# KiCad board GPDI_ULX3S_panel.kicad_pcb (continued)
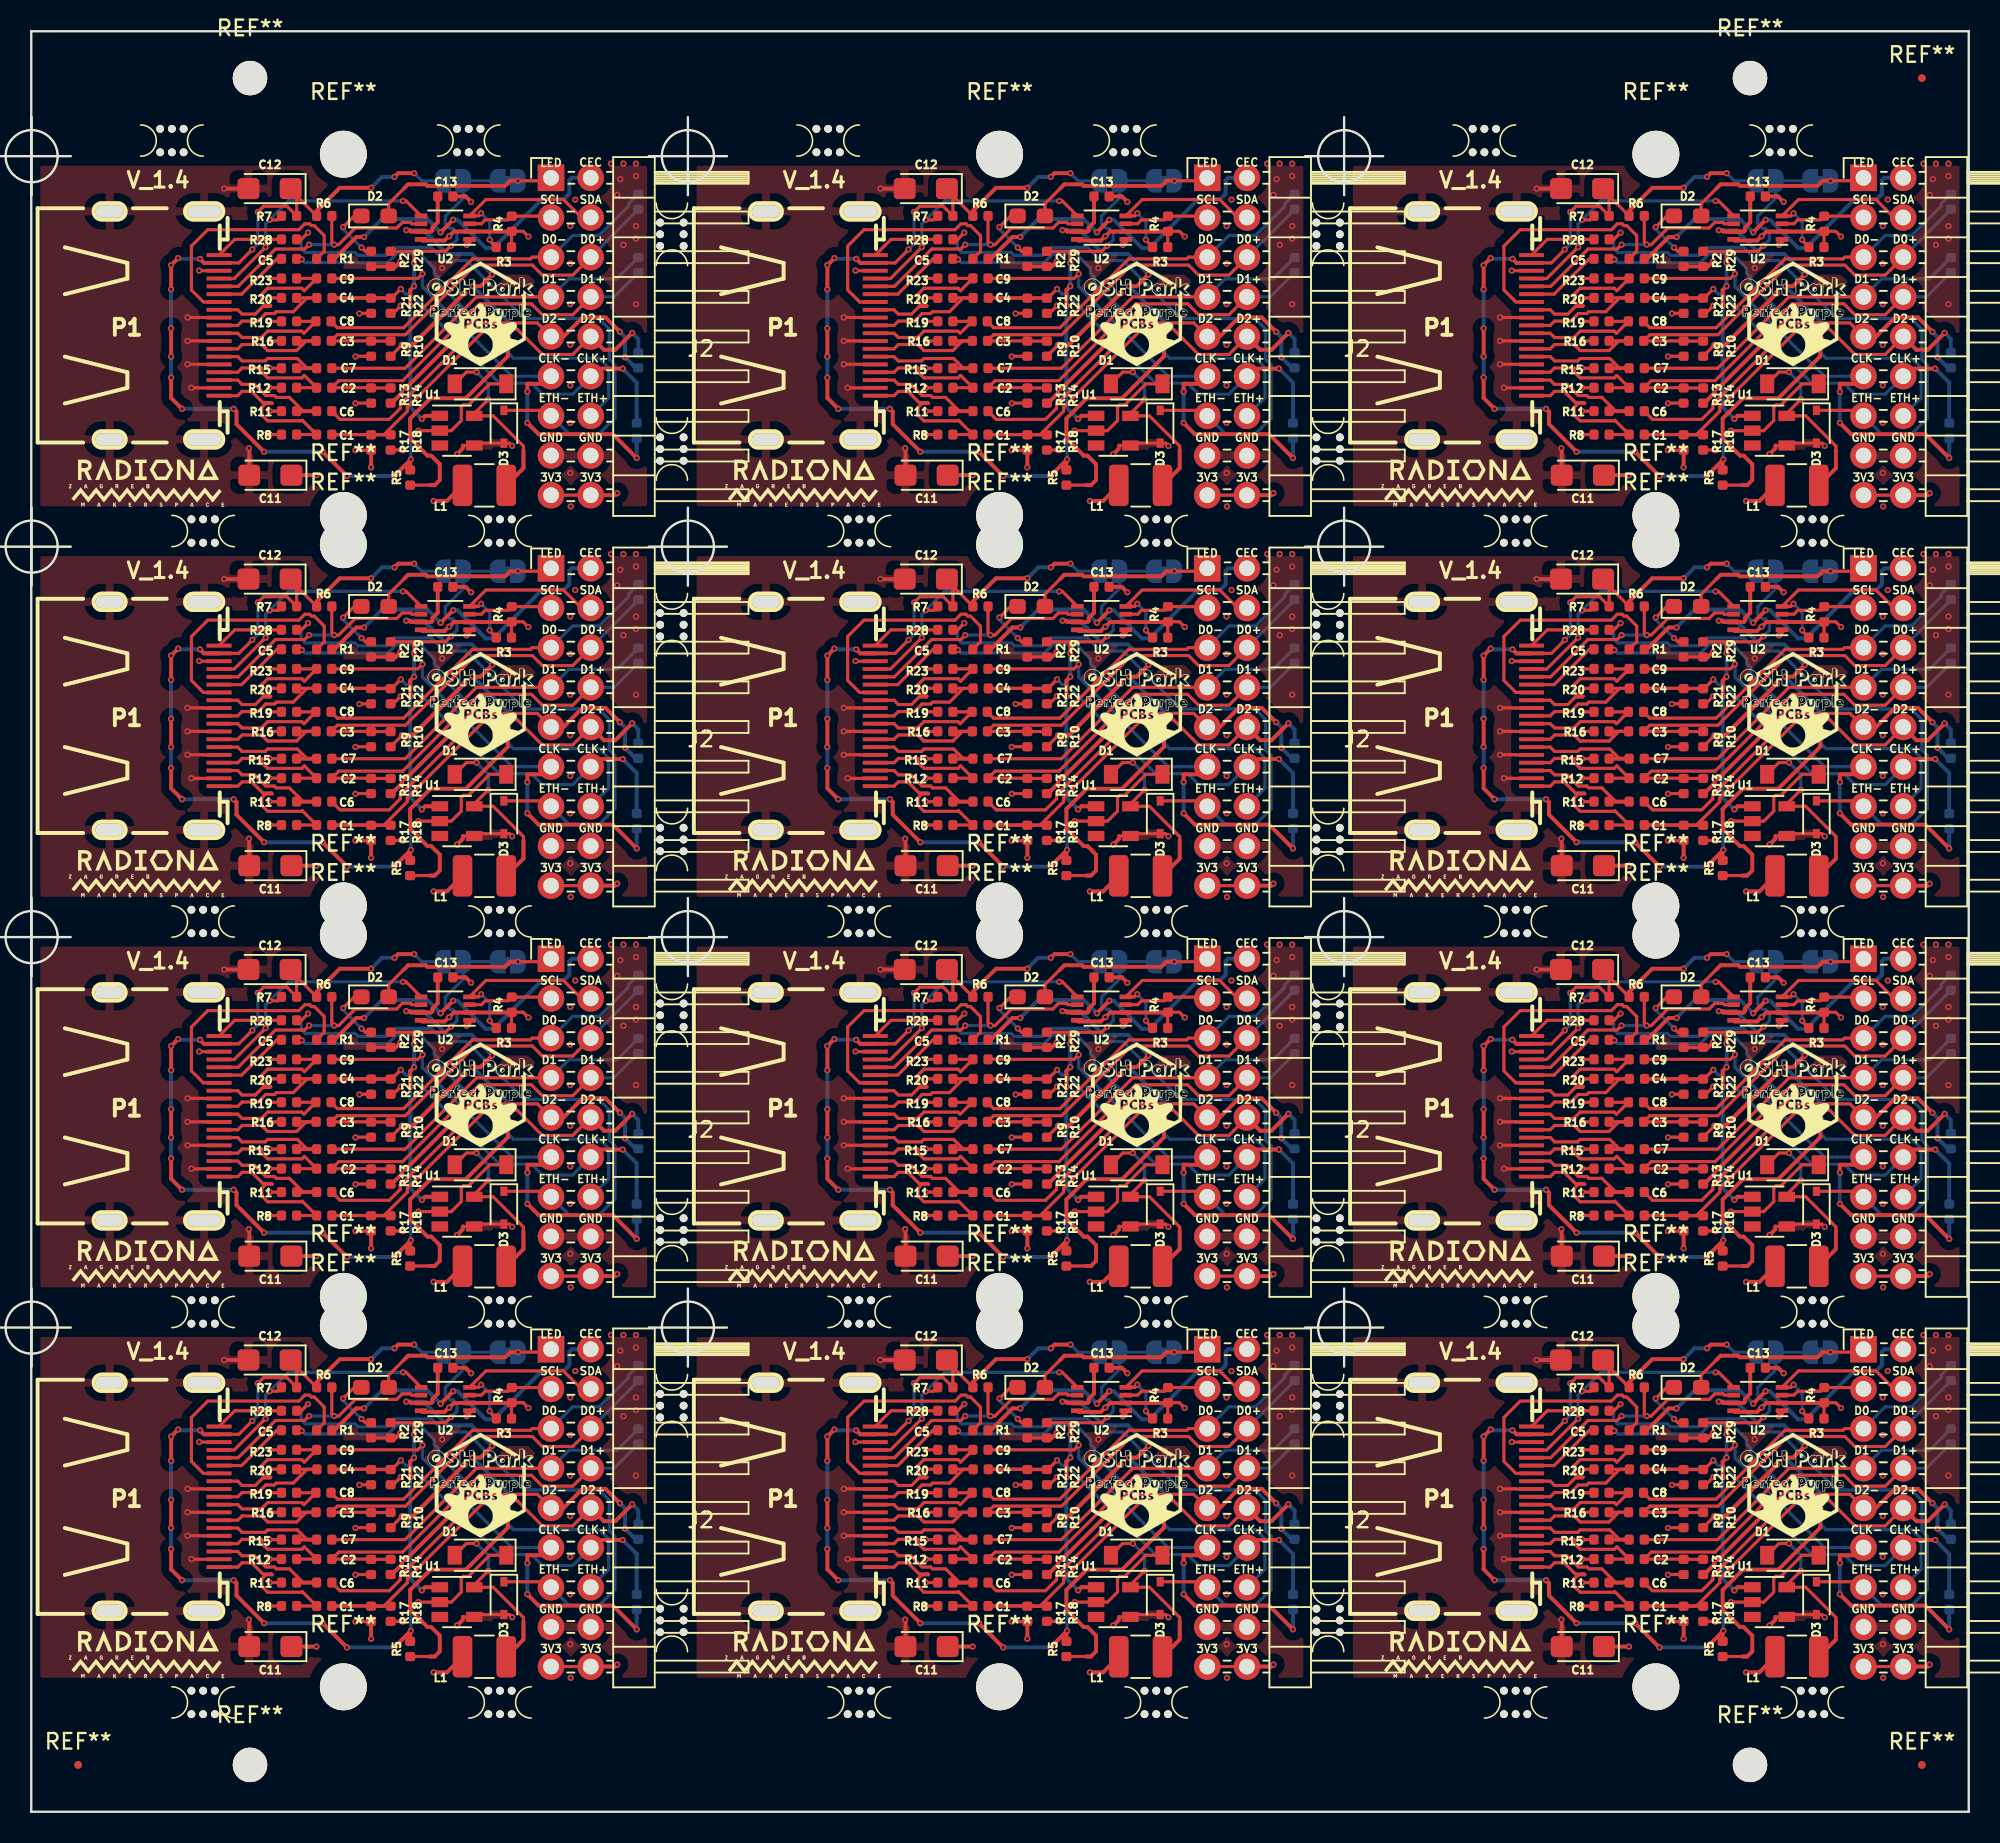
[diagram p0: board, top side]
## Routing (per net, layer and track width the routed paths; a pad name or vN(x,y) marks a point on that pad's centre or on a via; arc(x,y) is an arc through that point) (continued)
/CEC: length 191.9
  Top w0.2: P1#2.13 53.02,96.67 52.25,97.43 52.25,100.25 53.3,101.3 59.13,101.3 59.51,101.68 59.81,101.68 59.93,101.55 60.11,101.55 60.75,100.92 60.75,99.91 60.27,99.43 ; P1#3.13 95.02,96.67 94.25,97.43 94.25,100.25 95.3,101.3 101.13,101.3 101.51,101.68 101.81,101.68 101.93,101.55 102.11,101.55 102.75,100.92 102.75,99.91 102.27,99.43 ; P1#4.13 11.02,71.67 10.25,72.43 10.25,75.25 11.3,76.3 17.13,76.3 17.51,76.68 17.81,76.68 17.93,76.55 18.11,76.55 18.75,75.92 18.75,74.91 18.27,74.43 ; P1#5.13 53.02,71.67 52.25,72.43 52.25,75.25 53.3,76.3 59.13,76.3 59.51,76.68 59.81,76.68 59.93,76.55 60.11,76.55 60.75,75.92 60.75,74.91 60.27,74.43 ; P1#6.13 95.02,71.67 94.25,72.43 94.25,75.25 95.3,76.3 101.13,76.3 101.51,76.68 101.81,76.68 101.93,76.55 102.11,76.55 102.75,75.92 102.75,74.91 102.27,74.43 ; P1#7.13 11.02,46.67 10.25,47.43 10.25,50.25 11.3,51.3 17.13,51.3 17.51,51.68 17.81,51.68 17.93,51.55 18.11,51.55 18.75,50.92 18.75,49.91 18.27,49.42 ; P1#8.13 53.02,46.67 52.25,47.43 52.25,50.25 53.3,51.3 59.13,51.3 59.51,51.68 59.81,51.68 59.93,51.55 60.11,51.55 60.75,50.92 60.75,49.91 60.27,49.42 ; P1#9.13 95.02,46.67 94.25,47.43 94.25,50.25 95.3,51.3 101.13,51.3 101.51,51.68 101.81,51.68 101.93,51.55 102.11,51.55 102.75,50.92 102.75,49.91 102.27,49.42 ; 12.02,21.67 11.02,21.67 10.25,22.43 10.25,25.25 11.3,26.3 17.13,26.3 17.51,26.68 17.81,26.68 17.93,26.55 18.11,26.55 18.75,25.92 18.75,24.91 18.27,24.43 ; 54.02,21.67 53.02,21.67 52.25,22.43 52.25,25.25 53.3,26.3 59.13,26.3 59.51,26.68 59.81,26.68 59.93,26.55 60.11,26.55 60.75,25.92 60.75,24.91 60.27,24.43 ; 96.02,21.67 95.02,21.67 94.25,22.43 94.25,25.25 95.3,26.3 101.13,26.3 101.51,26.68 101.81,26.68 101.93,26.55 102.11,26.55 102.75,25.92 102.75,24.91 102.27,24.43 ; P1.13 11.02,96.67 10.25,97.43 10.25,100.25 11.3,101.3 17.13,101.3 17.51,101.68 17.81,101.68 17.93,101.55 18.11,101.55 18.75,100.92 18.75,99.91 18.27,99.43
/CLK+: length 99.4
  Top w0.2: R20#2.2 C4#2.2 59.65,96.93 58.77,96.05 57.68,96.05 57.56,95.93 57.01,95.93 56.53,95.44 55.49,95.44 55.22,95.17 P1#2.10 ; R20#3.2 C4#3.2 101.65,96.93 100.77,96.05 99.68,96.05 99.56,95.93 99.01,95.93 98.53,95.44 97.49,95.44 97.22,95.17 P1#3.10 ; R20#4.2 C4#4.2 17.65,71.93 16.77,71.05 15.68,71.05 15.56,70.93 15.01,70.93 14.53,70.44 13.49,70.44 13.22,70.17 P1#4.10 ; R20#5.2 C4#5.2 59.65,71.93 58.77,71.05 57.68,71.05 57.56,70.93 57.01,70.93 56.53,70.44 55.49,70.44 55.22,70.17 P1#5.10 ; R20#6.2 C4#6.2 101.65,71.93 100.77,71.05 99.68,71.05 99.56,70.93 99.01,70.93 98.53,70.44 97.49,70.44 97.22,70.17 P1#6.10 ; R20#7.2 C4#7.2 17.65,46.92 16.77,46.05 15.68,46.05 15.56,45.93 15.01,45.93 14.53,45.44 13.49,45.44 13.22,45.17 P1#7.10 ; R20#8.2 C4#8.2 59.65,46.92 58.77,46.05 57.68,46.05 57.56,45.93 57.01,45.93 56.53,45.44 55.49,45.44 55.22,45.17 P1#8.10 ; R20#9.2 C4#9.2 101.65,46.92 100.77,46.05 99.68,46.05 99.56,45.93 99.01,45.93 98.53,45.44 97.49,45.44 97.22,45.17 P1#9.10 ; R20#10.2 C4#10.2 17.65,21.93 16.77,21.05 15.68,21.05 15.56,20.93 15.01,20.93 14.53,20.44 13.49,20.44 13.22,20.17 12.02,20.17 ; R20#11.2 C4#11.2 59.65,21.93 58.77,21.05 57.68,21.05 57.56,20.93 57.01,20.93 56.53,20.44 55.49,20.44 55.22,20.17 54.02,20.17 ; R20#12.2 C4#12.2 101.65,21.93 100.77,21.05 99.68,21.05 99.56,20.93 99.01,20.93 98.53,20.44 97.49,20.44 97.22,20.17 96.02,20.17 ; R20.2 C4.2 17.65,96.93 16.77,96.05 15.68,96.05 15.56,95.93 15.01,95.93 14.53,95.44 13.49,95.44 13.22,95.17 P1.10
/CLK-: length 121.8
  Top w0.2: P1#2.12 55.22,96.17 55.49,95.89 56.34,95.89 56.82,96.37 57.28,96.37 57.33,96.42 57.01,96.42 56.75,96.68 56.75,97.17 57.13,97.55 59.32,97.55 59.48,97.39 60.27,98.18 R23#2.2 ; P1#3.12 97.22,96.17 97.49,95.89 98.34,95.89 98.82,96.37 99.28,96.37 99.33,96.42 99.01,96.42 98.75,96.68 98.75,97.17 99.13,97.55 101.32,97.55 101.48,97.39 102.27,98.18 R23#3.2 ; P1#4.12 13.22,71.17 13.49,70.89 14.34,70.89 14.82,71.37 15.28,71.37 15.33,71.42 15.01,71.42 14.75,71.68 14.75,72.17 15.13,72.55 17.32,72.55 17.48,72.39 18.27,73.18 R23#4.2 ; P1#5.12 55.22,71.17 55.49,70.89 56.34,70.89 56.82,71.37 57.28,71.37 57.33,71.42 57.01,71.42 56.75,71.68 56.75,72.17 57.13,72.55 59.32,72.55 59.48,72.39 60.27,73.18 R23#5.2 ; P1#6.12 97.22,71.17 97.49,70.89 98.34,70.89 98.82,71.37 99.28,71.37 99.33,71.42 99.01,71.42 98.75,71.68 98.75,72.17 99.13,72.55 101.32,72.55 101.48,72.39 102.27,73.18 R23#6.2 ; P1#7.12 13.22,46.17 13.49,45.89 14.34,45.89 14.82,46.37 15.28,46.37 15.33,46.42 15.01,46.42 14.75,46.68 14.75,47.17 15.13,47.55 17.32,47.55 17.48,47.39 18.27,48.17 R23#7.2 ; P1#8.12 55.22,46.17 55.49,45.89 56.34,45.89 56.82,46.37 57.28,46.37 57.33,46.42 57.01,46.42 56.75,46.68 56.75,47.17 57.13,47.55 59.32,47.55 59.48,47.39 60.27,48.17 R23#8.2 ; P1#9.12 97.22,46.17 97.49,45.89 98.34,45.89 98.82,46.37 99.28,46.37 99.33,46.42 99.01,46.42 98.75,46.68 98.75,47.17 99.13,47.55 101.32,47.55 101.48,47.39 102.27,48.17 R23#9.2 ; 12.02,21.17 13.22,21.17 13.49,20.89 14.34,20.89 14.82,21.37 15.28,21.37 15.33,21.42 15.01,21.42 14.75,21.68 14.75,22.17 15.13,22.55 17.32,22.55 17.48,22.39 18.27,23.18 R23#10.2 ; 54.02,21.17 55.22,21.17 55.49,20.89 56.34,20.89 56.82,21.37 57.28,21.37 57.33,21.42 57.01,21.42 56.75,21.68 56.75,22.17 57.13,22.55 59.32,22.55 59.48,22.39 60.27,23.18 R23#11.2 ; 96.02,21.17 97.22,21.17 97.49,20.89 98.34,20.89 98.82,21.37 99.28,21.37 99.33,21.42 99.01,21.42 98.75,21.68 98.75,22.17 99.13,22.55 101.32,22.55 101.48,22.39 102.27,23.18 R23#12.2 ; R23.2 18.27,98.18 17.48,97.39 17.32,97.55 15.13,97.55 14.75,97.17 14.75,96.68 15.01,96.42 15.33,96.42 15.28,96.37 14.82,96.37 14.34,95.89 13.49,95.89 13.22,96.17 P1.12
/D0+: length 95.9
  Top w0.2: P1#2.7 55.22,93.67 55.49,93.94 56.74,93.94 57.13,93.55 58.98,93.55 59.6,94.18 C3#2.2 R16#2.2 ; P1#3.7 97.22,93.67 97.49,93.94 98.74,93.94 99.13,93.55 100.98,93.55 101.6,94.18 C3#3.2 R16#3.2 ; P1#4.7 13.22,68.67 13.49,68.94 14.74,68.94 15.13,68.55 16.98,68.55 17.6,69.18 C3#4.2 R16#4.2 ; P1#5.7 55.22,68.67 55.49,68.94 56.74,68.94 57.13,68.55 58.98,68.55 59.6,69.18 C3#5.2 R16#5.2 ; P1#6.7 97.22,68.67 97.49,68.94 98.74,68.94 99.13,68.55 100.98,68.55 101.6,69.18 C3#6.2 R16#6.2 ; P1#7.7 13.22,43.67 13.49,43.94 14.74,43.94 15.13,43.55 16.98,43.55 17.6,44.17 C3#7.2 R16#7.2 ; P1#8.7 55.22,43.67 55.49,43.94 56.74,43.94 57.13,43.55 58.98,43.55 59.6,44.17 C3#8.2 R16#8.2 ; P1#9.7 97.22,43.67 97.49,43.94 98.74,43.94 99.13,43.55 100.98,43.55 101.6,44.17 C3#9.2 R16#9.2 ; 12.02,18.67 13.22,18.67 13.49,18.94 14.74,18.94 15.13,18.55 16.98,18.55 17.6,19.18 C3#10.2 R16#10.2 ; 54.02,18.67 55.22,18.67 55.49,18.94 56.74,18.94 57.13,18.55 58.98,18.55 59.6,19.18 C3#11.2 R16#11.2 ; 96.02,18.67 97.22,18.67 97.49,18.94 98.74,18.94 99.13,18.55 100.98,18.55 101.6,19.18 C3#12.2 R16#12.2 ; R16.2 C3.2 17.6,94.18 16.98,93.55 15.13,93.55 14.74,93.94 13.49,93.94 13.22,93.67 P1.7
/D0-: length 97
  Top w0.2: R19#2.2 C8#2.2 59.45,94.66 59.32,94.8 57.13,94.8 56.73,94.39 55.49,94.39 55.22,94.67 P1#2.9 ; R19#3.2 C8#3.2 101.45,94.66 101.32,94.8 99.13,94.8 98.73,94.39 97.49,94.39 97.22,94.67 P1#3.9 ; R19#4.2 C8#4.2 17.45,69.66 17.32,69.8 15.13,69.8 14.73,69.39 13.49,69.39 13.22,69.67 P1#4.9 ; R19#5.2 C8#5.2 59.45,69.66 59.32,69.8 57.13,69.8 56.73,69.39 55.49,69.39 55.22,69.67 P1#5.9 ; R19#6.2 C8#6.2 101.45,69.66 101.32,69.8 99.13,69.8 98.73,69.39 97.49,69.39 97.22,69.67 P1#6.9 ; R19#7.2 C8#7.2 17.45,44.66 17.32,44.8 15.13,44.8 14.73,44.39 13.49,44.39 13.22,44.67 P1#7.9 ; R19#8.2 C8#8.2 59.45,44.66 59.32,44.8 57.13,44.8 56.73,44.39 55.49,44.39 55.22,44.67 P1#8.9 ; R19#9.2 C8#9.2 101.45,44.66 101.32,44.8 99.13,44.8 98.73,44.39 97.49,44.39 97.22,44.67 P1#9.9 ; R19#10.2 C8#10.2 17.45,19.66 17.32,19.8 15.13,19.8 14.73,19.39 13.49,19.39 13.22,19.67 12.02,19.67 ; R19#11.2 C8#11.2 59.45,19.66 59.32,19.8 57.13,19.8 56.73,19.39 55.49,19.39 55.22,19.67 54.02,19.67 ; R19#12.2 C8#12.2 101.45,19.66 101.32,19.8 99.13,19.8 98.73,19.39 97.49,19.39 97.22,19.67 96.02,19.67 ; R19.2 C8.2 17.45,94.66 17.32,94.8 15.13,94.8 14.73,94.39 13.49,94.39 13.22,94.67 P1.9
/D1+: length 101.4
  Top w0.2: R12#2.2 60.27,91.18 59.48,91.96 59.32,91.8 57.13,91.8 56.75,92.18 56.75,92.44 55.49,92.44 55.22,92.17 P1#2.4 ; R12#3.2 102.27,91.18 101.48,91.96 101.32,91.8 99.13,91.8 98.75,92.18 98.75,92.44 97.49,92.44 97.22,92.17 P1#3.4 ; R12#4.2 18.27,66.18 17.48,66.96 17.32,66.8 15.13,66.8 14.75,67.18 14.75,67.44 13.49,67.44 13.22,67.17 P1#4.4 ; R12#5.2 60.27,66.18 59.48,66.96 59.32,66.8 57.13,66.8 56.75,67.18 56.75,67.44 55.49,67.44 55.22,67.17 P1#5.4 ; R12#6.2 102.27,66.18 101.48,66.96 101.32,66.8 99.13,66.8 98.75,67.18 98.75,67.44 97.49,67.44 97.22,67.17 P1#6.4 ; R12#7.2 18.27,41.17 17.48,41.96 17.32,41.8 15.13,41.8 14.75,42.18 14.75,42.44 13.49,42.44 13.22,42.17 P1#7.4 ; R12#8.2 60.27,41.17 59.48,41.96 59.32,41.8 57.13,41.8 56.75,42.18 56.75,42.44 55.49,42.44 55.22,42.17 P1#8.4 ; R12#9.2 102.27,41.17 101.48,41.96 101.32,41.8 99.13,41.8 98.75,42.18 98.75,42.44 97.49,42.44 97.22,42.17 P1#9.4 ; R12#10.2 18.27,16.18 17.48,16.96 17.32,16.8 15.13,16.8 14.75,17.18 14.75,17.44 13.49,17.44 13.22,17.17 12.02,17.17 ; R12#11.2 60.27,16.18 59.48,16.96 59.32,16.8 57.13,16.8 56.75,17.18 56.75,17.44 55.49,17.44 55.22,17.17 54.02,17.17 ; R12#12.2 102.27,16.18 101.48,16.96 101.32,16.8 99.13,16.8 98.75,17.18 98.75,17.44 97.49,17.44 97.22,17.17 96.02,17.17 ; P1.4 13.22,92.17 13.49,92.44 14.75,92.44 14.75,92.18 15.13,91.8 17.32,91.8 17.48,91.96 18.27,91.18 R12.2
/D1-: length 95.6
  Top w0.2: P1#2.6 55.22,93.17 55.49,92.89 56.98,92.89 57.13,93.05 59.03,93.05 59.65,92.43 60.27,92.43 ; P1#3.6 97.22,93.17 97.49,92.89 98.98,92.89 99.13,93.05 101.03,93.05 101.65,92.43 102.27,92.43 ; P1#4.6 13.22,68.17 13.49,67.89 14.98,67.89 15.13,68.05 17.03,68.05 17.65,67.43 18.27,67.43 ; P1#5.6 55.22,68.17 55.49,67.89 56.98,67.89 57.13,68.05 59.03,68.05 59.65,67.43 60.27,67.43 ; P1#6.6 97.22,68.17 97.49,67.89 98.98,67.89 99.13,68.05 101.03,68.05 101.65,67.43 102.27,67.43 ; P1#7.6 13.22,43.17 13.49,42.89 14.98,42.89 15.13,43.05 17.03,43.05 17.65,42.42 18.27,42.42 ; P1#8.6 55.22,43.17 55.49,42.89 56.98,42.89 57.13,43.05 59.03,43.05 59.65,42.42 60.27,42.42 ; P1#9.6 97.22,43.17 97.49,42.89 98.98,42.89 99.13,43.05 101.03,43.05 101.65,42.42 102.27,42.42 ; 12.02,18.17 13.22,18.17 13.49,17.89 14.98,17.89 15.13,18.05 17.03,18.05 17.65,17.43 18.27,17.43 ; 54.02,18.17 55.22,18.17 55.49,17.89 56.98,17.89 57.13,18.05 59.03,18.05 59.65,17.43 60.27,17.43 ; 96.02,18.17 97.22,18.17 97.49,17.89 98.98,17.89 99.13,18.05 101.03,18.05 101.65,17.43 102.27,17.43 ; P1.6 13.22,93.17 13.49,92.89 14.98,92.89 15.13,93.05 17.03,93.05 17.65,92.43 18.27,92.43
  Top w0.25: R15#2.2 60.27,92.43 ; R15#3.2 102.27,92.43 ; R15#4.2 18.27,67.43 ; R15#5.2 60.27,67.43 ; R15#6.2 102.27,67.43 ; R15#7.2 18.27,42.42 ; R15#8.2 60.27,42.42 ; R15#9.2 102.27,42.42 ; R15#10.2 18.27,17.43 ; R15#11.2 60.27,17.43 ; R15#12.2 102.27,17.43 ; R15.2 18.27,92.43
/D2+: length 125.4
  Top w0.2: R8#2.2 60.27,88.18 59.35,89.09 59.32,89.05 57.13,89.05 56.75,89.43 56.75,89.92 57.01,90.18 57.43,90.18 57.38,90.23 56.82,90.23 56.11,90.94 55.49,90.94 55.22,90.67 P1#2.1 ; R8#3.2 102.27,88.18 101.35,89.09 101.32,89.05 99.13,89.05 98.75,89.43 98.75,89.92 99.01,90.18 99.43,90.18 99.38,90.23 98.82,90.23 98.11,90.94 97.49,90.94 97.22,90.67 P1#3.1 ; R8#4.2 18.27,63.18 17.35,64.09 17.32,64.05 15.13,64.05 14.75,64.43 14.75,64.92 15.01,65.18 15.43,65.18 15.38,65.23 14.82,65.23 14.11,65.94 13.49,65.94 13.22,65.67 P1#4.1 ; R8#5.2 60.27,63.18 59.35,64.09 59.32,64.05 57.13,64.05 56.75,64.43 56.75,64.92 57.01,65.18 57.43,65.18 57.38,65.23 56.82,65.23 56.11,65.94 55.49,65.94 55.22,65.67 P1#5.1 ; R8#6.2 102.27,63.18 101.35,64.09 101.32,64.05 99.13,64.05 98.75,64.43 98.75,64.92 99.01,65.18 99.43,65.18 99.38,65.23 98.82,65.23 98.11,65.94 97.49,65.94 97.22,65.67 P1#6.1 ; R8#7.2 18.27,38.17 17.35,39.09 17.32,39.05 15.13,39.05 14.75,39.43 14.75,39.92 15.01,40.18 15.43,40.18 15.38,40.23 14.82,40.23 14.11,40.94 13.49,40.94 13.22,40.67 P1#7.1 ; R8#8.2 60.27,38.17 59.35,39.09 59.32,39.05 57.13,39.05 56.75,39.43 56.75,39.92 57.01,40.18 57.43,40.18 57.38,40.23 56.82,40.23 56.11,40.94 55.49,40.94 55.22,40.67 P1#8.1 ; R8#9.2 102.27,38.17 101.35,39.09 101.32,39.05 99.13,39.05 98.75,39.43 98.75,39.92 99.01,40.18 99.43,40.18 99.38,40.23 98.82,40.23 98.11,40.94 97.49,40.94 97.22,40.67 P1#9.1 ; R8#10.2 18.27,13.18 17.35,14.09 17.32,14.05 15.13,14.05 14.75,14.43 14.75,14.92 15.01,15.18 15.43,15.18 15.38,15.23 14.82,15.23 14.11,15.94 13.49,15.94 13.22,15.67 12.02,15.67 ; R8#11.2 60.27,13.18 59.35,14.09 59.32,14.05 57.13,14.05 56.75,14.43 56.75,14.92 57.01,15.18 57.43,15.18 57.38,15.23 56.82,15.23 56.11,15.94 55.49,15.94 55.22,15.67 54.02,15.67 ; R8#12.2 102.27,13.18 101.35,14.09 101.32,14.05 99.13,14.05 98.75,14.43 98.75,14.92 99.01,15.18 99.43,15.18 99.38,15.23 98.82,15.23 98.11,15.94 97.49,15.94 97.22,15.67 96.02,15.67 ; R8.2 18.27,88.18 17.35,89.09 17.32,89.05 15.13,89.05 14.75,89.43 14.75,89.92 15.01,90.18 15.43,90.18 15.38,90.23 14.82,90.23 14.11,90.94 13.49,90.94 13.22,90.67 P1.1
/D2-: length 100.2
  Top w0.2: 60.27,89.68 59.4,89.68 58.52,90.55 57.68,90.55 57.56,90.67 57.01,90.67 56.29,91.39 55.49,91.39 55.22,91.67 P1#2.3 ; 102.27,89.68 101.4,89.68 100.52,90.55 99.68,90.55 99.56,90.67 99.01,90.67 98.29,91.39 97.49,91.39 97.22,91.67 P1#3.3 ; 18.27,64.68 17.4,64.68 16.52,65.55 15.68,65.55 15.56,65.67 15.01,65.67 14.29,66.39 13.49,66.39 13.22,66.67 P1#4.3 ; 60.27,64.68 59.4,64.68 58.52,65.55 57.68,65.55 57.56,65.67 57.01,65.67 56.29,66.39 55.49,66.39 55.22,66.67 P1#5.3 ; 102.27,64.68 101.4,64.68 100.52,65.55 99.68,65.55 99.56,65.67 99.01,65.67 98.29,66.39 97.49,66.39 97.22,66.67 P1#6.3 ; 18.27,39.67 17.4,39.67 16.52,40.55 15.68,40.55 15.56,40.67 15.01,40.67 14.29,41.39 13.49,41.39 13.22,41.67 P1#7.3 ; 60.27,39.67 59.4,39.67 58.52,40.55 57.68,40.55 57.56,40.67 57.01,40.67 56.29,41.39 55.49,41.39 55.22,41.67 P1#8.3 ; 102.27,39.67 101.4,39.67 100.52,40.55 99.68,40.55 99.56,40.67 99.01,40.67 98.29,41.39 97.49,41.39 97.22,41.67 P1#9.3 ; 18.27,14.68 17.4,14.68 16.52,15.55 15.68,15.55 15.56,15.67 15.01,15.67 14.29,16.39 13.49,16.39 13.22,16.67 12.02,16.67 ; 60.27,14.68 59.4,14.68 58.52,15.55 57.68,15.55 57.56,15.67 57.01,15.67 56.29,16.39 55.49,16.39 55.22,16.67 54.02,16.67 ; 102.27,14.68 101.4,14.68 100.52,15.55 99.68,15.55 99.56,15.67 99.01,15.67 98.29,16.39 97.49,16.39 97.22,16.67 96.02,16.67 ; P1.3 13.22,91.67 13.49,91.39 14.29,91.39 15.01,90.67 15.56,90.67 15.68,90.55 16.52,90.55 17.4,89.68 18.27,89.68
  Top w0.25: R11#2.2 60.27,89.68 ; R11#3.2 102.27,89.68 ; R11#4.2 18.27,64.68 ; R11#5.2 60.27,64.68 ; R11#6.2 102.27,64.68 ; R11#7.2 18.27,39.67 ; R11#8.2 60.27,39.67 ; R11#9.2 102.27,39.67 ; R11#10.2 18.27,14.68 ; R11#11.2 60.27,14.68 ; R11#12.2 102.27,14.68 ; R11.2 18.27,89.68
/ETH+: length 59.2
  Top w0.2: C5#2.2 57.72,99.43 55.46,97.17 P1#2.14 ; C5#3.2 99.72,99.43 97.46,97.17 P1#3.14 ; C5#4.2 15.72,74.43 13.46,72.17 P1#4.14 ; C5#5.2 57.72,74.43 55.46,72.17 P1#5.14 ; C5#6.2 99.72,74.43 97.46,72.17 P1#6.14 ; C5#7.2 15.72,49.42 13.46,47.17 P1#7.14 ; C5#8.2 57.72,49.42 55.46,47.17 P1#8.14 ; C5#9.2 99.72,49.42 97.46,47.17 P1#9.14 ; C5#10.2 15.72,24.43 13.46,22.17 12.02,22.17 ; C5#11.2 57.72,24.43 55.46,22.17 54.02,22.17 ; C5#12.2 99.72,24.43 97.46,22.17 96.02,22.17 ; P1.14 13.46,97.17 15.72,99.43 C5.2
/ETH-: length 53
  Top w0.2: R28#2.1 55.03,100.68 P1#2.19 ; R28#3.1 97.03,100.68 P1#3.19 ; R28#4.1 13.03,75.68 P1#4.19 ; R28#5.1 55.03,75.68 P1#5.19 ; R28#6.1 97.03,75.68 P1#6.19 ; R28#7.1 13.03,50.67 P1#7.19 ; R28#8.1 55.03,50.67 P1#8.19 ; R28#9.1 97.03,50.67 P1#9.19 ; R28#10.1 13.03,25.68 12.02,24.67 ; R28#11.1 55.03,25.68 54.02,24.67 ; R28#12.1 97.03,25.68 96.02,24.67 ; R28.1 13.03,100.68 P1.19
GPDI_CEC: length 257.3
  Top w0.25: 61.25,99.43 R1#2.2 61.4,99.43 62.8,100.82 v1(63.3,100.82) ; 103.25,99.43 R1#3.2 103.4,99.43 104.8,100.82 v1(105.3,100.82) ; 19.25,74.43 R1#4.2 19.4,74.43 20.8,75.83 v1(21.3,75.83) ; 61.25,74.43 R1#5.2 61.4,74.43 62.8,75.83 v1(63.3,75.83) ; 103.25,74.43 R1#6.2 103.4,74.43 104.8,75.83 v1(105.3,75.83) ; 19.25,49.42 R1#7.2 19.4,49.42 20.8,50.83 v1(21.3,50.83) ; 61.25,49.42 R1#8.2 61.4,49.42 62.8,50.83 v1(63.3,50.83) ; 103.25,49.42 R1#9.2 103.4,49.42 104.8,50.83 v1(105.3,50.83) ; 19.25,24.43 R1#10.2 19.4,24.43 20.8,25.83 v1(21.3,25.83) ; 61.25,24.43 R1#11.2 61.4,24.43 62.8,25.83 v1(63.3,25.83) ; 103.25,24.43 R1#12.2 103.4,24.43 104.8,25.83 v1(105.3,25.83) ; v1(69,101.93) v1(68.2,101.12) ; v1(111,101.93) v1(110.2,101.12) ; v1(27,76.93) v1(26.2,76.12) ; v1(69,76.93) v1(68.2,76.12) ; v1(111,76.93) v1(110.2,76.12) ; v1(27,51.93) v1(26.2,51.12) ; v1(69,51.93) v1(68.2,51.12) ; v1(111,51.93) v1(110.2,51.12) ; v1(27,26.93) v1(26.2,26.12) ; v1(69,26.93) v1(68.2,26.12) ; v1(111,26.93) v1(110.2,26.12) ; v1(27,101.93) v1(26.2,101.12) ; 19.25,99.43 R1.2 19.4,99.43 20.8,100.82 v1(21.3,100.82)
  Bottom w0.25: J2#2.2 76.6,104.62 76.44,104.45 76.44,103.58 76.1,103.25 74.7,103.25 71.57,100.12 71.08,100.12 69.28,101.93 v1(69,101.93) ; J2#3.2 118.6,104.62 118.44,104.45 118.44,103.58 118.1,103.25 116.7,103.25 113.57,100.12 113.08,100.12 111.28,101.93 v1(111,101.93) ; J2#4.2 34.6,79.62 34.44,79.45 34.44,78.58 34.1,78.25 32.7,78.25 29.57,75.12 29.08,75.12 27.28,76.93 v1(27,76.93) ; J2#5.2 76.6,79.62 76.44,79.45 76.44,78.58 76.1,78.25 74.7,78.25 71.57,75.12 71.08,75.12 69.28,76.93 v1(69,76.93) ; J2#6.2 118.6,79.62 118.44,79.45 118.44,78.58 118.1,78.25 116.7,78.25 113.57,75.12 113.08,75.12 111.28,76.93 v1(111,76.93) ; J2#7.2 34.6,54.62 34.44,54.45 34.44,53.58 34.1,53.25 32.7,53.25 29.57,50.12 29.08,50.12 27.28,51.93 v1(27,51.93) ; J2#8.2 76.6,54.62 76.44,54.45 76.44,53.58 76.1,53.25 74.7,53.25 71.57,50.12 71.08,50.12 69.28,51.93 v1(69,51.93) ; J2#9.2 118.6,54.62 118.44,54.45 118.44,53.58 118.1,53.25 116.7,53.25 113.57,50.12 113.08,50.12 111.28,51.93 v1(111,51.93) ; J2#10.2 34.6,29.62 34.44,29.45 34.44,28.58 34.1,28.25 32.7,28.25 29.57,25.12 29.08,25.12 27.28,26.93 v1(27,26.93) ; J2#11.2 76.6,29.62 76.44,29.45 76.44,28.58 76.1,28.25 74.7,28.25 71.57,25.12 71.08,25.12 69.28,26.93 v1(69,26.93) ; J2#12.2 118.6,29.62 118.44,29.45 118.44,28.58 118.1,28.25 116.7,28.25 113.57,25.12 113.08,25.12 111.28,26.93 v1(111,26.93) ; v1(63.3,100.82) 64.45,101.97 67.35,101.97 v1(68.2,101.12) ; v1(105.3,100.82) 106.45,101.97 109.35,101.97 v1(110.2,101.12) ; v1(21.3,75.83) 22.45,76.97 25.35,76.97 v1(26.2,76.12) ; v1(63.3,75.83) 64.45,76.97 67.35,76.97 v1(68.2,76.12) ; v1(105.3,75.83) 106.45,76.97 109.35,76.97 v1(110.2,76.12) ; v1(21.3,50.83) 22.45,51.98 25.35,51.98 v1(26.2,51.12) ; v1(63.3,50.83) 64.45,51.98 67.35,51.98 v1(68.2,51.12) ; v1(105.3,50.83) 106.45,51.98 109.35,51.98 v1(110.2,51.12) ; v1(21.3,25.83) 22.45,26.98 25.35,26.98 v1(26.2,26.12) ; v1(63.3,25.83) 64.45,26.98 67.35,26.98 v1(68.2,26.12) ; v1(105.3,25.83) 106.45,26.98 109.35,26.98 v1(110.2,26.12) ; v1(21.3,100.82) 22.45,101.97 25.35,101.97 v1(26.2,101.12) ; v1(27,101.93) 27.28,101.93 29.08,100.12 29.57,100.12 32.7,103.25 34.1,103.25 34.44,103.58 34.44,104.45 34.6,104.62 J2.2
GPDI_CLK+: length 359.1
  Top w0.2: v1(65.65,97.5) 65.08,96.93 C4#2.1 63.73,96.93 R21#2.2 R22#2.1 ; v1(107.65,97.5) 107.08,96.93 C4#3.1 105.73,96.93 R21#3.2 R22#3.1 ; v1(23.65,72.5) 23.08,71.93 C4#4.1 21.73,71.93 R21#4.2 R22#4.1 ; v1(65.65,72.5) 65.08,71.93 C4#5.1 63.73,71.93 R21#5.2 R22#5.1 ; v1(107.65,72.5) 107.08,71.93 C4#6.1 105.73,71.93 R21#6.2 R22#6.1 ; v1(23.65,47.5) 23.08,46.92 C4#7.1 21.73,46.92 R21#7.2 R22#7.1 ; v1(65.65,47.5) 65.08,46.92 C4#8.1 63.73,46.92 R21#8.2 R22#8.1 ; v1(107.65,47.5) 107.08,46.92 C4#9.1 105.73,46.92 R21#9.2 R22#9.1 ; v1(23.65,22.5) 23.08,21.93 C4#10.1 21.73,21.93 R21#10.2 R22#10.1 ; v1(65.65,22.5) 65.08,21.93 C4#11.1 63.73,21.93 R21#11.2 R22#11.1 ; v1(107.65,22.5) 107.08,21.93 C4#12.1 105.73,21.93 R21#12.2 R22#12.1 ; R22.1 R21.2 21.73,96.93 C4.1 23.08,96.93 v1(23.65,97.5)
  Top w0.25: J2#2.12 78.29,92.4 v1(79.85,92.4) ; J2#3.12 120.29,92.4 v1(121.85,92.4) ; J2#4.12 36.29,67.4 v1(37.85,67.4) ; J2#5.12 78.29,67.4 v1(79.85,67.4) ; J2#6.12 120.29,67.4 v1(121.85,67.4) ; J2#7.12 36.29,42.4 v1(37.85,42.4) ; J2#8.12 78.29,42.4 v1(79.85,42.4) ; J2#9.12 120.29,42.4 v1(121.85,42.4) ; J2#10.12 36.29,17.4 v1(37.85,17.4) ; J2#11.12 78.29,17.4 v1(79.85,17.4) ; J2#12.12 120.29,17.4 v1(121.85,17.4) ; v1(37.85,92.4) 36.29,92.4 J2.12
  Bottom w0.2: J2#2.12 76.65,90.76 74.71,90.76 74.01,91.47 71.97,91.47 66.26,97.17 65.97,97.17 v1(65.65,97.5) ; J2#3.12 118.65,90.76 116.71,90.76 116.01,91.47 113.97,91.47 108.26,97.17 107.97,97.17 v1(107.65,97.5) ; J2#4.12 34.65,65.76 32.71,65.76 32.01,66.47 29.97,66.47 24.26,72.17 23.97,72.17 v1(23.65,72.5) ; J2#5.12 76.65,65.76 74.71,65.76 74.01,66.47 71.97,66.47 66.26,72.17 65.97,72.17 v1(65.65,72.5) ; J2#6.12 118.65,65.76 116.71,65.76 116.01,66.47 113.97,66.47 108.26,72.17 107.97,72.17 v1(107.65,72.5) ; J2#7.12 34.65,40.76 32.71,40.76 32.01,41.47 29.97,41.47 24.26,47.17 23.97,47.17 v1(23.65,47.5) ; J2#8.12 76.65,40.76 74.71,40.76 74.01,41.47 71.97,41.47 66.26,47.17 65.97,47.17 v1(65.65,47.5) ; J2#9.12 118.65,40.76 116.71,40.76 116.01,41.47 113.97,41.47 108.26,47.17 107.97,47.17 v1(107.65,47.5) ; J2#10.12 34.65,15.76 32.71,15.76 32.01,16.47 29.97,16.47 24.26,22.17 23.97,22.17 v1(23.65,22.5) ; J2#11.12 76.65,15.76 74.71,15.76 74.01,16.47 71.97,16.47 66.26,22.17 65.97,22.17 v1(65.65,22.5) ; J2#12.12 118.65,15.76 116.71,15.76 116.01,16.47 113.97,16.47 108.26,22.17 107.97,22.17 v1(107.65,22.5) ; J2.12 34.65,90.76 32.71,90.76 32.01,91.47 29.97,91.47 24.26,97.17 23.97,97.17 v1(23.65,97.5)
  Bottom w0.25: R27#2.1 80.75,91.5 v1(79.85,92.4) ; R27#3.1 122.75,91.5 v1(121.85,92.4) ; R27#4.1 38.75,66.5 v1(37.85,67.4) ; R27#5.1 80.75,66.5 v1(79.85,67.4) ; R27#6.1 122.75,66.5 v1(121.85,67.4) ; R27#7.1 38.75,41.5 v1(37.85,42.4) ; R27#8.1 80.75,41.5 v1(79.85,42.4) ; R27#9.1 122.75,41.5 v1(121.85,42.4) ; R27#10.1 38.75,16.5 v1(37.85,17.4) ; R27#11.1 80.75,16.5 v1(79.85,17.4) ; R27#12.1 122.75,16.5 v1(121.85,17.4) ; R27.1 38.75,91.5 v1(37.85,92.4)
GPDI_CLK-: length 369.2
  Top w0.2: C9#2.1 66.74,98.18 v1(67.04,98.47) ; C9#3.1 108.74,98.18 v1(109.04,98.47) ; C9#4.1 24.74,73.18 v1(25.04,73.47) ; C9#5.1 66.74,73.18 v1(67.04,73.47) ; C9#6.1 108.74,73.18 v1(109.04,73.47) ; C9#7.1 24.74,48.17 v1(25.04,48.47) ; C9#8.1 66.74,48.17 v1(67.04,48.47) ; C9#9.1 108.74,48.17 v1(109.04,48.47) ; C9#10.1 24.74,23.18 v1(25.04,23.47) ; C9#11.1 66.74,23.18 v1(67.04,23.47) ; C9#12.1 108.74,23.18 v1(109.04,23.47) ; v1(25.04,98.47) 24.74,98.18 C9.1
  Top w0.25: v1(80.75,86.68) 79.23,88.2 74.48,88.2 v1(73.75,88.93) ; v1(122.75,86.68) 121.23,88.2 116.48,88.2 v1(115.75,88.93) ; v1(38.75,61.68) 37.23,63.2 32.48,63.2 v1(31.75,63.93) ; v1(80.75,61.68) 79.23,63.2 74.48,63.2 v1(73.75,63.93) ; v1(122.75,61.68) 121.23,63.2 116.48,63.2 v1(115.75,63.93) ; v1(38.75,36.67) 37.23,38.2 32.48,38.2 v1(31.75,38.92) ; v1(80.75,36.67) 79.23,38.2 74.48,38.2 v1(73.75,38.92) ; v1(122.75,36.67) 121.23,38.2 116.48,38.2 v1(115.75,38.92) ; v1(38.75,11.68) 37.23,13.2 32.48,13.2 v1(31.75,13.93) ; v1(80.75,11.68) 79.23,13.2 74.48,13.2 v1(73.75,13.93) ; v1(122.75,11.68) 121.23,13.2 116.48,13.2 v1(115.75,13.93) ; v1(73.75,90.93) 73.75,91.43 74.77,91.43 J2#2.11 ; v1(115.75,90.93) 115.75,91.43 116.77,91.43 J2#3.11 ; v1(31.75,65.93) 31.75,66.43 32.77,66.43 J2#4.11 ; v1(73.75,65.93) 73.75,66.43 74.77,66.43 J2#5.11 ; v1(115.75,65.93) 115.75,66.43 116.77,66.43 J2#6.11 ; v1(31.75,40.92) 31.75,41.42 32.77,41.42 J2#7.11 ; v1(73.75,40.92) 73.75,41.42 74.77,41.42 J2#8.11 ; v1(115.75,40.92) 115.75,41.42 116.77,41.42 J2#9.11 ; v1(31.75,15.93) 31.75,16.43 32.77,16.43 J2#10.11 ; v1(73.75,15.93) 73.75,16.43 74.77,16.43 J2#11.11 ; v1(115.75,15.93) 115.75,16.43 116.77,16.43 J2#12.11 ; J2.11 32.77,91.43 31.75,91.43 v1(31.75,90.93) ; v1(31.75,88.93) 32.48,88.2 37.23,88.2 v1(38.75,86.68)
  Bottom w0.2: J2#2.11 72.76,91.91 67.04,97.64 v1(67.04,98.47) ; J2#3.11 114.76,91.91 109.04,97.64 v1(109.04,98.47) ; J2#4.11 30.76,66.91 25.04,72.64 v1(25.04,73.47) ; J2#5.11 72.76,66.91 67.04,72.64 v1(67.04,73.47) ; J2#6.11 114.76,66.91 109.04,72.64 v1(109.04,73.47) ; J2#7.11 30.76,41.92 25.04,47.64 v1(25.04,48.47) ; J2#8.11 72.76,41.92 67.04,47.64 v1(67.04,48.47) ; J2#9.11 114.76,41.92 109.04,47.64 v1(109.04,48.47) ; J2#10.11 30.76,16.92 25.04,22.64 v1(25.04,23.47) ; J2#11.11 72.76,16.92 67.04,22.64 v1(67.04,23.47) ; J2#12.11 114.76,16.92 109.04,22.64 v1(109.04,23.47) ; v1(25.04,98.47) 25.04,97.64 30.76,91.91 J2.11
  Bottom w0.25: v1(80.75,86.68) R27#2.2 ; v1(122.75,86.68) R27#3.2 ; v1(38.75,61.68) R27#4.2 ; v1(80.75,61.68) R27#5.2 ; v1(122.75,61.68) R27#6.2 ; v1(38.75,36.67) R27#7.2 ; v1(80.75,36.67) R27#8.2 ; v1(122.75,36.67) R27#9.2 ; v1(38.75,11.68) R27#10.2 ; v1(80.75,11.68) R27#11.2 ; v1(122.75,11.68) R27#12.2 ; v1(73.75,88.93) v1(73.75,90.93) ; v1(115.75,88.93) v1(115.75,90.93) ; v1(31.75,63.93) v1(31.75,65.93) ; v1(73.75,63.93) v1(73.75,65.93) ; v1(115.75,63.93) v1(115.75,65.93) ; v1(31.75,38.92) v1(31.75,40.92) ; v1(73.75,38.92) v1(73.75,40.92) ; v1(115.75,38.92) v1(115.75,40.92) ; v1(31.75,13.93) v1(31.75,15.93) ; v1(73.75,13.93) v1(73.75,15.93) ; v1(115.75,13.93) v1(115.75,15.93) ; R27.2 v1(38.75,86.68) ; v1(31.75,88.93) v1(31.75,90.93)